# KiCad board Inkplate10_Soldered_panel.kicad_pcb
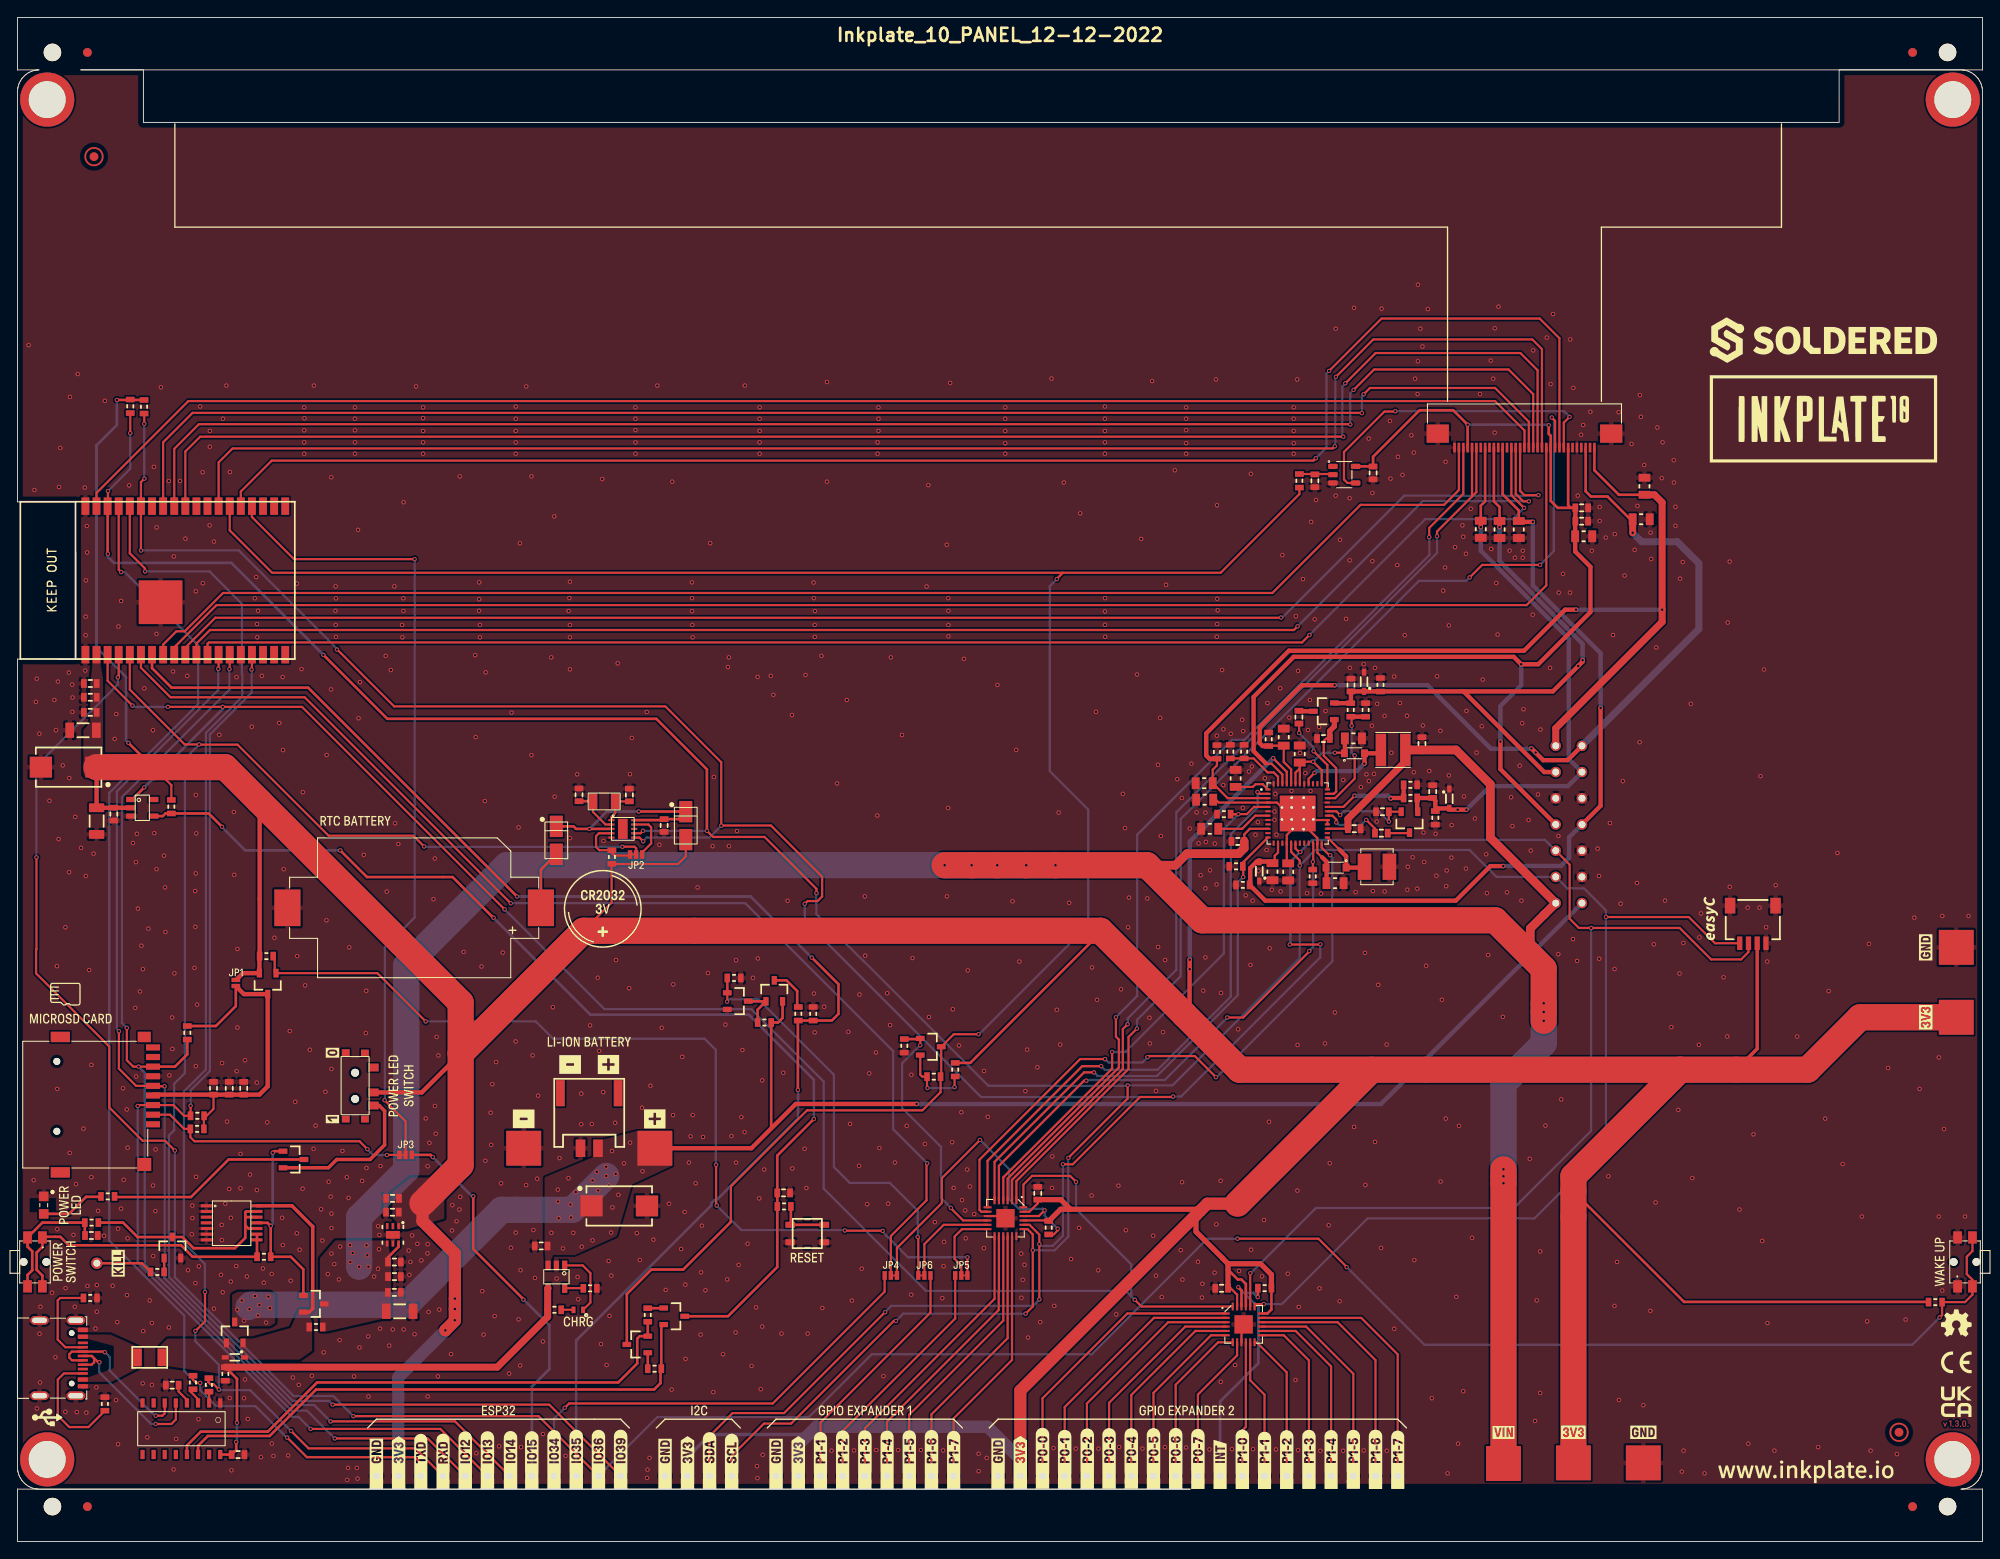
[diagram p0: board, top side]
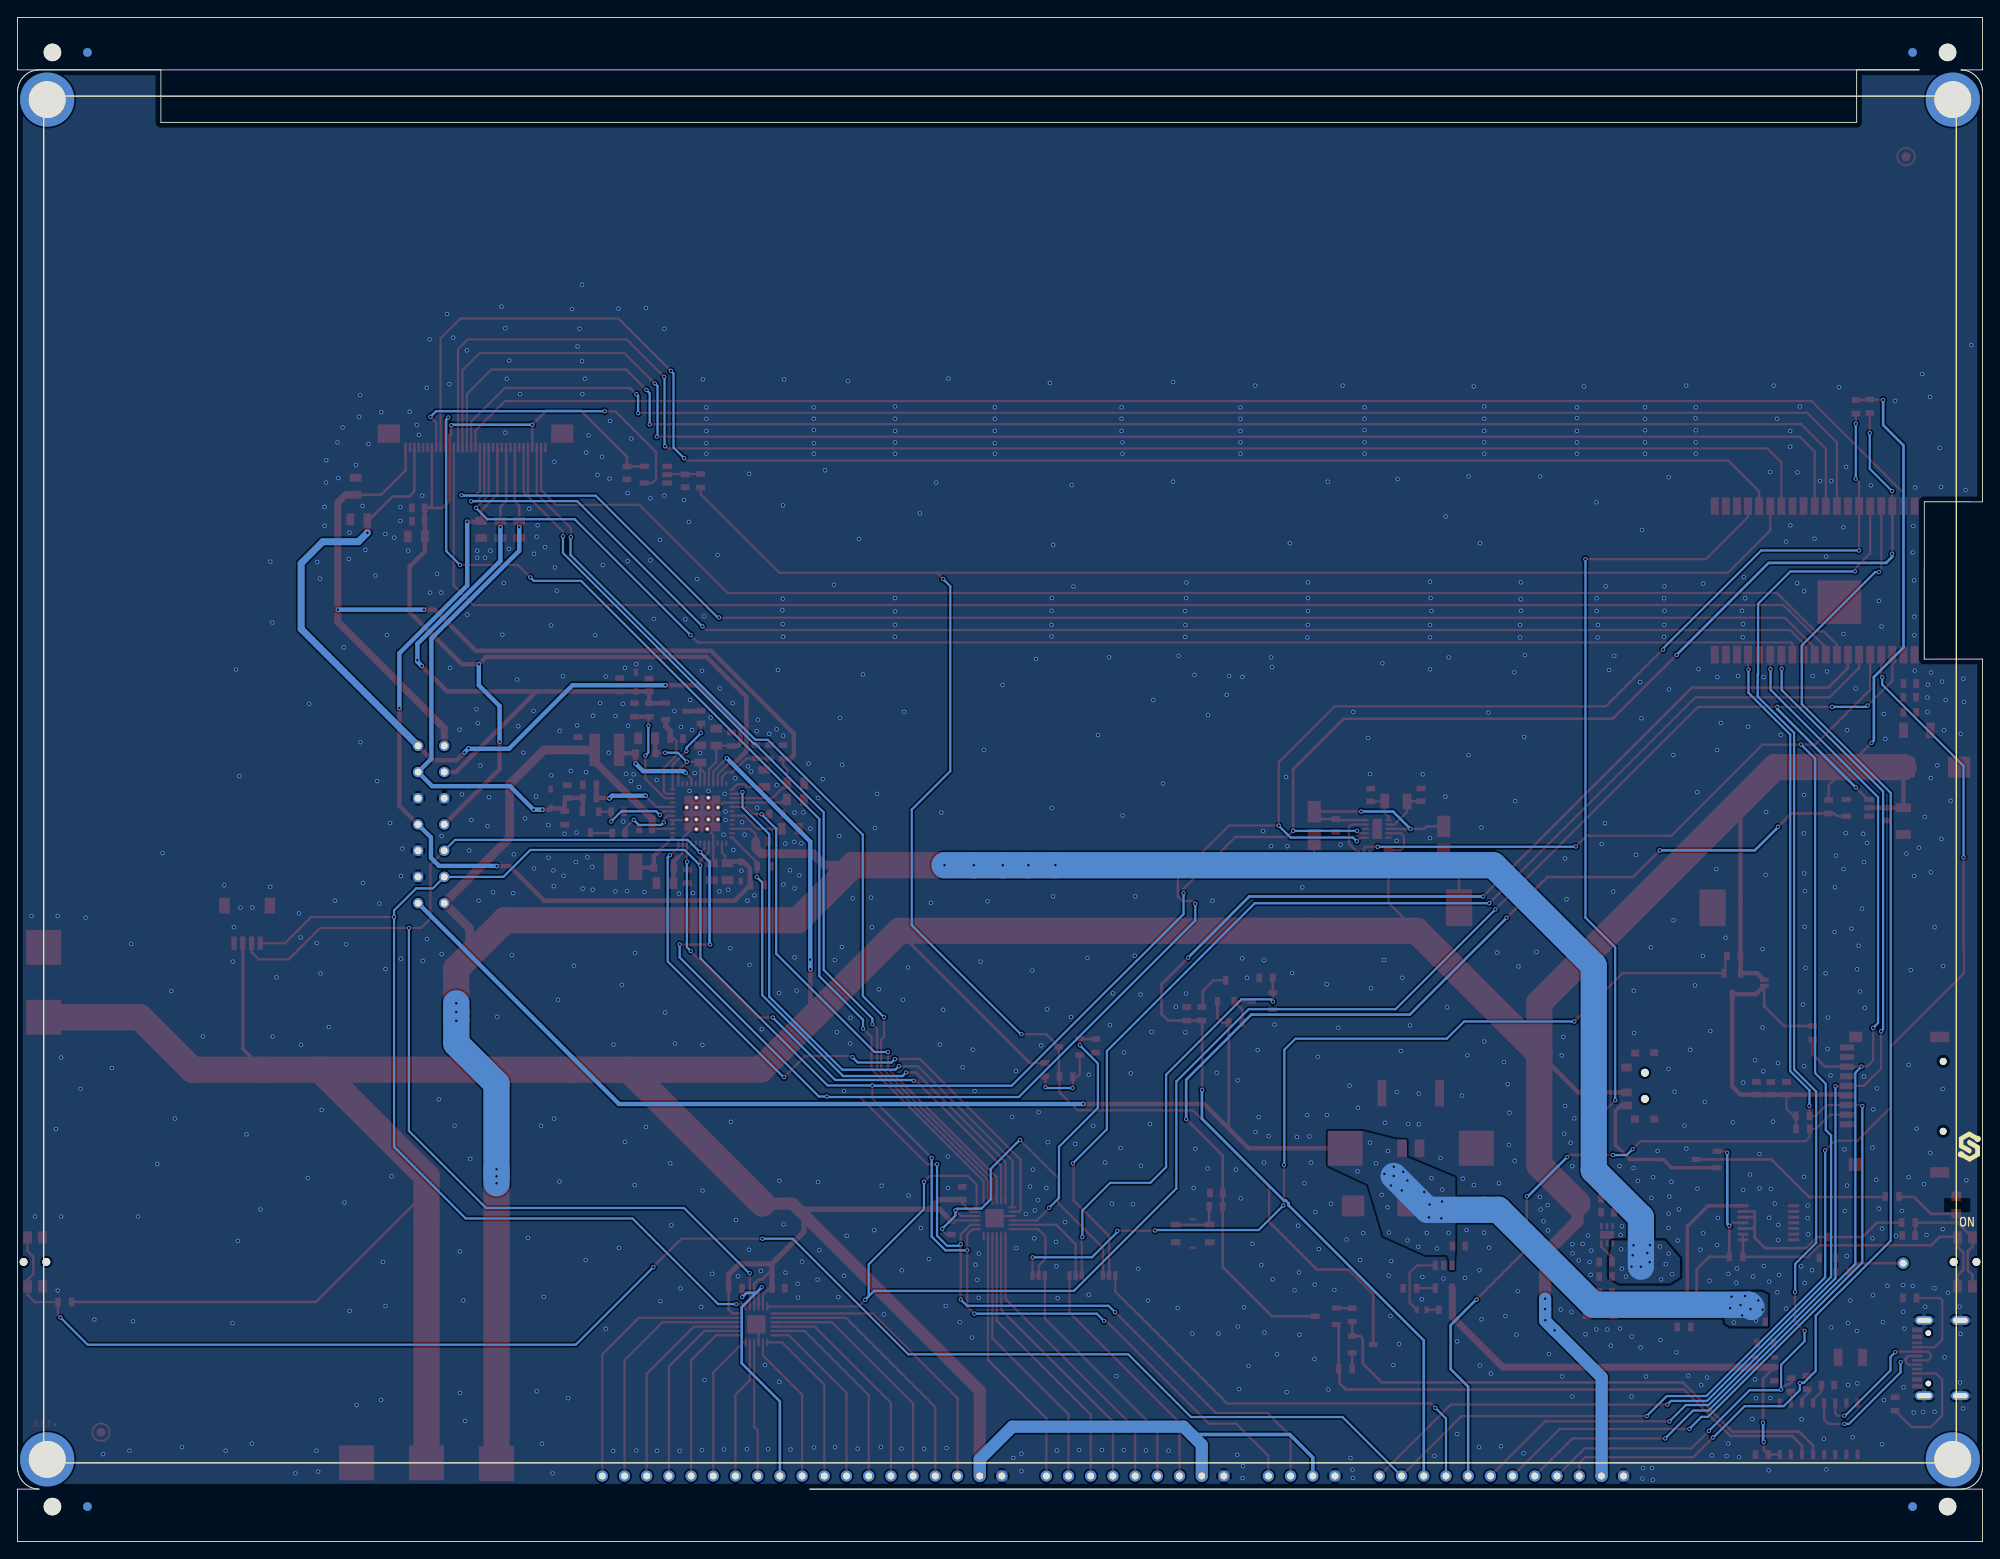
[diagram p1: board, bottom side, seen from below]

Outline 224.8 x 174.42 mm; copper layers: Top, Bottom. Coordinates in mm from the lower left corner of the outline.
Outline path: 0,174.42 0,168.42 2.46,168.42 2.37,168.42 2.25,168.41 2.12,168.4 2,168.37 1.87,168.35 1.75,168.31 1.63,168.27 1.51,168.22 1.4,168.17 1.29,168.11 1.18,168.05 1.07,167.98 0.97,167.9 0.87,167.82 0.78,167.74 0.69,167.65 0.6,167.55 0.52,167.46 0.45,167.35 0.38,167.25 0.31,167.14 0.26,167.03 0.2,166.91 0.16,166.79 0.11,166.67 0.08,166.55 0.05,166.43 0.03,166.3 0.01,166.18 0,166.05 0,165.92 0,118.99 6.66,119 6.67,100.99 0,101 0,8.5 0,8.37 0.01,8.25 0.03,8.12 0.05,8 0.08,7.87 0.11,7.75 0.16,7.63 0.2,7.51 0.26,7.4 0.31,7.29 0.38,7.18 0.45,7.07 0.52,6.97 0.6,6.87 0.69,6.78 0.78,6.69 0.87,6.6 0.97,6.52 1.07,6.45 1.18,6.38 1.29,6.31 1.4,6.25 1.51,6.2 1.63,6.15 1.75,6.11 1.87,6.08 2,6.05 2.12,6.03 2.25,6.01 2.37,6 134.17,6 0,6 0,0 224.8,0 224.8,6 222.34,6 222.43,6 222.55,6.01 222.68,6.03 222.8,6.05 222.93,6.08 223.05,6.11 223.17,6.15 223.29,6.2 223.4,6.25 223.51,6.31 223.62,6.38 223.73,6.45 223.83,6.52 223.93,6.6 224.02,6.69 224.11,6.78 224.2,6.87 224.28,6.97 224.35,7.07 224.42,7.18 224.49,7.29 224.55,7.4 224.6,7.51 224.65,7.63 224.69,7.75 224.72,7.87 224.75,8 224.77,8.12 224.79,8.25 224.8,8.37 224.8,8.5 224.8,165.92 224.8,166.05 224.79,166.18 224.77,166.3 224.75,166.43 224.72,166.55 224.69,166.67 224.65,166.79 224.6,166.91 224.55,167.03 224.49,167.14 224.42,167.25 224.35,167.35 224.28,167.46 224.2,167.55 224.11,167.65 224.02,167.74 223.93,167.82 223.83,167.9 223.73,167.98 223.62,168.05 223.51,168.11 223.4,168.17 223.29,168.22 223.17,168.27 223.05,168.31 222.93,168.35 222.8,168.37 222.68,168.4 222.55,168.41 222.43,168.42 208.4,168.42 208.4,162.42 14.4,162.42 14.4,168.42 7.25,168.42 224.8,168.42 224.8,174.42 0,174.42
Stack: Top 0.035mm / dielectric 1.51mm FR4 er 4.5 / Bottom 0.035mm

## Placement (name value [footprint] x y rotation side)
C1  4u7-TMK212AB7475KG-T  [0805C]  139.36 87.34 270 top
C2  4u7-TMK212AB7475KG-T  [0805C]  135.76 86.79 0 top
C3  4u7-TMK212AB7475KG-T  [0805C]  135.81 84.9 0 top
C4  4u7-TMK212AB7475KG-T  [0805C]  136.4 81.57 0 top
C5  10u-GRM188R61E106KA73J  [0603C]  139.61 80.12 0 top
C6  4u7-TMK212AB7475KG-T  [0805C]  143.57 76.66 90 top
C7  4u7-TMK212AB7475KG-T  [0805C]  145.37 76.64 90 top
C8  10u-GRM188R61E106KA73J  [0603C]  152.93 81.58 180 top
C9  4u7-TMK212AB7475KG-T  [0805C]  150.73 75.35 180 top
C10  10u-GRM188R61E106KA73J  [0603C]  160.68 91.32 270 top
C11  4u7-TMK212AB7475KG-T  [0805C]  152.83 91.92 180 top
C12  4u7-TMK212AB7475KG-T  [0805C]  146.69 90.13 270 top
C13  4u7-TMK212AB7475KG-T  [0805C]  144.86 92.06 270 top
C14  2u2-GRM188R61E225MA12D  [0603C]  152.55 98.02 270 top
C15  2u2-GRM188R61E225MA12D  [0603C]  161.9 85.82 270 top
C16  10n-AC0603KRX7R8BB103  [0603C]  156.03 81.07 180 top
C17  10n-AC0603KRX7R8BB103  [0603C]  146.6 94.35 90 top
C18  100n-AC0603KRX7R8BB104  [0603C]  156.15 83.52 0 top
C19  100n-AC0603KRX7R8BB104  [0603C]  149.4 91.9 0 top
C20  100n  [0603C]  25.23 9.95 180 top
C21  10u  [1206C]  9.05 82.45 90 top
C22  100n  [0603C]  17.7 17.9 0 top
C23  100n  [0603C]  11.03 83.25 90 top
C24  DNP  [2917C]  68.84 38.41 0 top
C25  2u2  [0603C]  59.91 33.82 0 top
C26  2u2  [0603C]  87.65 39.9 180 top
C27  10u  [1206C]  43.73 26.35 180 top
C28  2u2  [0603C]  43.11 28.51 180 top
C29  100n  [0603C]  43.12 30.32 180 top
C30  100n  [0603C]  43.12 31.99 180 top
C31  2u2  [0603C]  42.91 39.27 0 top
C32  100n  [0603C]  8.45 35.02 180 top
C33  100n  [0603C]  42.89 37.69 0 top
C34  12p  [0603C]  70 85.44 270 top
C35  12p  [0603C]  64.24 85.46 270 top
C36  100n  [0603C]  73.97 81.95 90 top
C37  2u2  [0603C]  25.88 51.87 270 top
C38  100n  [0603C]  24.23 51.87 270 top
C39  100n  [0603C]  22.43 51.87 270 top
C40  100p  [0603C]  148.43 121.4 90 top
C41  100n  [0603C]  155.08 122.3 90 top
C42  100n  [0603C]  178.95 116.77 180 top
C43  100n  [0603C]  178.95 118.3 180 top
C44  100n  [0603C]  116.72 39.86 270 top
C45  10u  [1206C]  7.5 92.85 0 top
C46  2u2  [0603C]  8.33 94.9 0 top
C47  100n  [0603C]  8.33 96.62 0 top
C48  100n  [0603C]  8.33 98.2 0 top
C49  DNP  [2917C]  5.85 88.62 180 top
C50  100n  [0603C]  137.76 28.98 0 top
C51  4u7-TMK212AB7475KG-T  [0805C]  186.13 120.77 270 top
C52  4u7-TMK212AB7475KG-T  [0805C]  169.55 115.82 90 top
C53  4u7-TMK212AB7475KG-T  [0805C]  167.4 115.85 90 top
C54  4u7-TMK212AB7475KG-T  [0805C]  185.75 117 180 top
C55  4u7-TMK212AB7475KG-T  [0805C]  179.18 115.05 180 top
C56  4u7-TMK212AB7475KG-T  [0805C]  171.75 115.82 90 top
D1  CUS10F30,H3F  [SOD-323-2]  150.85 77.12 180 top
D2  BAT20J  [SOD-323]  154.05 98.4 270 top
D3  CUS10F30,H3F  [SOD-323-2]  152.95 90.21 0 top
D4  BAT20J  [SOD-323]  142.06 76.69 270 top
D5  BAT20J  [SOD-323]  163.8 85.02 90 top
D6  BAT54S  [SOT-23-3]  159.25 82.32 270 top
D7  BAT54S  [SOT-23-3]  149.45 95.02 180 top
D8  RED  [0402LED]  64.16 26.51 0 top
D9  0603LED_SIDE  [LTST-S270GKT]  3 38.5 90 top
D10  BAT20J  [SOD-323]  24.88 21.08 0 top
D11  -  [M4_DIODA]  76.45 81.93 90 top
D12  -  [M4_DIODA]  61.64 80.25 90 top
F1  1206FUSE-500mA  [1206FUSE]  15.13 21.07 180 top
FD1  FIDUCIAL  [FIDUCIAL_23]  8.75 158.5 0 top
FD2  FIDUCIAL  [FIDUCIAL_23]  215.25 12.5 0 top
G***  LOGO  [Symbol-Front-USB]  3.4 14.2 270 top
G***#2  LOGO  [Logo-Front-OSH-3.5mm]  221.8 25 0 top
G***#3  LOGO  [Logo-Back-Soldered-3.5mm]  1.5 45.2 0 top
G***#4  LOGO  [Symbol-Front-SDcard]  5.48 62.65 90 top
G***#5  LOGO  [Logo-Front-easyC-5mm]  193.65 71.3 90 top
H1  -  [Standoff_M3]  221.4 165.02 0 top
H2  -  [Standoff_M3]  3.4 165.02 0 top
H3  -  [Standoff_M3]  221.4 9.4 0 top
H4  -  [Standoff_M3]  3.4 9.4 0 top
JP1  -  [SMD_JUMPER]  24.98 63.92 90 top
JP2  -  [SMD_JUMPER_3_PAD_CONNECTED_LEFT_TRACE]  70.77 78.63 0 top
JP3  -  [SMD_JUMPER_3_PAD_CONNECTED_LEFT_TRACE]  44.4 44.25 0 top
JP4  -  [SMD_JUMPER_3_PAD_CONNECTED_LEFT_TRACE]  99.91 30.45 180 top
JP5  -  [SMD_JUMPER_3_PAD_CONNECTED_LEFT_TRACE]  107.98 30.45 180 top
JP6  -  [SMD_JUMPER_3_PAD_CONNECTED_LEFT_TRACE]  103.75 30.45 0 top
K1  Inkplate_TP  [INKPLATE TEST HEADER]  177.48 82.06 0 top
K2  -  [U262-161N-4BVC11]  3 21 90 top
K3  easyC-SMD  [easyC-connector]  198.53 70.62 0 top
K4  -  [JST-2pin-SMD]  65.41 48.16 0 top
K5  -  [HEADER_MALE_1X1_Inkplate]  76.62 7.5 90 top
K6  -  [HEADER_MALE_1X1_Inkplate]  81.7 7.5 90 top
K7  -  [HEADER_MALE_1X1_Inkplate]  79.16 7.5 90 top
K8  -  [HEADER_MALE_1X1_Inkplate]  74.08 7.5 90 top
K9  -  [HEADER_MALE_1X1_Inkplate]  9.08 31.85 0 top
K10  CR2032_BS-6-1  [CR2032-BS-6-1]  45.38 72.53 0 top
K11  -  [HYC77-TF09-200]  10 50 270 top
K12  -  [SFV33R-1STE9HLF]  172.4 126 180 top
K13  -  [HEADER_MALE_1X1_Inkplate]  61.38 7.5 180 top
K14  -  [HEADER_MALE_1X1_Inkplate]  63.92 7.5 180 top
K15  -  [HEADER_MALE_1X1_Inkplate]  43.6 7.5 0 top
K16  -  [HEADER_MALE_1X1_Inkplate]  46.14 7.5 180 top
K17  -  [HEADER_MALE_1X1_Inkplate]  48.68 7.5 180 top
K18  -  [HEADER_MALE_1X1_Inkplate]  94.4 7.5 180 top
K19  -  [HEADER_MALE_1X1_Inkplate]  96.94 7.5 180 top
K20  -  [HEADER_MALE_1X1_Inkplate]  99.48 7.5 180 top
K21  -  [HEADER_MALE_1X1_Inkplate]  104.56 7.5 180 top
K22  -  [HEADER_MALE_1X1_Inkplate]  107.1 7.5 180 top
K23  -  [HEADER_MALE_1X1_Inkplate]  102.02 7.5 180 top
K24  -  [HEADER_MALE_1X1_Inkplate]  91.86 7.5 180 top
K25  -  [HEADER_MALE_1X1_Inkplate]  56.3 7.5 180 top
K26  -  [HEADER_MALE_1X1_Inkplate]  51.22 7.5 180 top
K27  -  [HEADER_MALE_1X1_Inkplate]  53.76 7.5 180 top
K28  -  [HEADER_MALE_1X1_Inkplate]  117.26 7.5 0 top
K29  -  [HEADER_MALE_1X1_Inkplate]  119.8 7.5 0 top
K30  -  [HEADER_MALE_1X1_Inkplate]  122.34 7.5 0 top
K31  -  [HEADER_MALE_1X1_Inkplate]  124.88 7.5 0 top
K32  -  [HEADER_MALE_1X1_Inkplate]  127.42 7.5 0 top
K33  -  [HEADER_MALE_1X1_Inkplate]  129.96 7.5 0 top
K34  -  [HEADER_MALE_1X1_Inkplate]  132.5 7.5 0 top
K35  -  [HEADER_MALE_1X1_Inkplate]  135.04 7.5 0 top
K36  -  [HEADER_MALE_1X1_Inkplate]  69 7.5 180 top
K37  -  [HEADER_MALE_1X1_Inkplate]  66.46 7.5 180 top
K38  -  [HEADER_MALE_1X1_Inkplate]  58.84 7.5 180 top
K39  -  [HEADER_MALE_1X1_Inkplate]  140.12 7.5 0 top
K40  -  [HEADER_MALE_1X1_Inkplate]  142.66 7.5 0 top
K41  -  [HEADER_MALE_1X1_Inkplate]  145.2 7.5 0 top
K42  -  [HEADER_MALE_1X1_Inkplate]  147.74 7.5 0 top
K43  -  [HEADER_MALE_1X1_Inkplate]  150.28 7.5 0 top
K44  -  [HEADER_MALE_1X1_Inkplate]  152.82 7.5 0 top
K45  -  [HEADER_MALE_1X1_Inkplate]  155.36 7.5 0 top
K46  -  [HEADER_MALE_1X1_Inkplate]  157.9 7.5 0 top
K47  -  [HEADER_MALE_1X1_Inkplate]  114.72 7.5 0 top
K48  -  [HEADER_MALE_1X1_Inkplate]  112.18 7.5 0 top
K49  -  [HEADER_MALE_1X1_Inkplate]  137.58 7.5 0 top
K50  -  [HEADER_MALE_1X1_Inkplate]  89.32 7.5 0 top
K51  -  [HEADER_MALE_1X1_Inkplate]  86.78 7.5 0 top
K52  -  [HEADER_MALE_1X1_Inkplate]  41.06 7.5 0 top
kibuzzard-62EA6F76  G***  [kibuzzard-62EA6F76]  55.03 15 0 top
kibuzzard-62EA71AD  G***  [kibuzzard-62EA71AD]  132.5 9.51 90 top
kibuzzard-62EA71BF  G***  [kibuzzard-62EA71BF]  135.04 9.46 90 top
kibuzzard-62EA71CF  G***  [kibuzzard-62EA71CF]  137.58 8.83 90 top
kibuzzard-62EA72A0  G***  [kibuzzard-62EA72A0]  140.12 9.41 90 top
kibuzzard-62EA72B5  G***  [kibuzzard-62EA72B5]  142.66 9.29 90 top
kibuzzard-62EA72C4  G***  [kibuzzard-62EA72C4]  145.2 9.38 90 top
kibuzzard-62EA72D5  G***  [kibuzzard-62EA72D5]  147.74 9.4 90 top
kibuzzard-62EA72FE  G***  [kibuzzard-62EA72FE]  150.28 9.39 90 top
kibuzzard-62EA713E  G***  [kibuzzard-62EA713E]  117.26 9.52 90 top
kibuzzard-62EA717A  G***  [kibuzzard-62EA717A]  124.88 9.5 90 top
kibuzzard-62EA718B  G***  [kibuzzard-62EA718B]  127.42 9.5 90 top
kibuzzard-62EA719A  G***  [kibuzzard-62EA719A]  129.96 9.5 90 top
kibuzzard-62EA730E  G***  [kibuzzard-62EA730E]  152.82 9.41 90 top
kibuzzard-62EA738C  G***  [kibuzzard-62EA738C]  157.9 9.36 90 top
kibuzzard-62EA7151  G***  [kibuzzard-62EA7151]  119.8 9.4 90 top
kibuzzard-62EA7167  G***  [kibuzzard-62EA7167]  122.38 9.48 90 top
kibuzzard-62EA7320  G***  [kibuzzard-62EA7320]  155.36 9.41 90 top
kibuzzard-62EA7623  G***  [kibuzzard-62EA7623]  219.9 32 90 top
kibuzzard-62F64A5D  G***  [kibuzzard-62F64A5D]  6.1 59.85 0 top
kibuzzard-62F64B01  G***  [kibuzzard-62F64B01]  90.35 32.5 0 top
kibuzzard-62F64B1C  G***  [kibuzzard-62F64B1C]  64.16 25.17 0 top
kibuzzard-62F64C02  G***  [kibuzzard-62F64C02]  78 15 0 top
kibuzzard-62F64ED6  G***  [kibuzzard-62F64ED6]  24.98 65.12 0 top
kibuzzard-62F64EF1  G***  [kibuzzard-62F64EF1]  70.77 77.43 0 top
kibuzzard-62F64FB5  G***  [kibuzzard-62F64FB5]  103.75 31.65 0 top
kibuzzard-62F647A2  G***  [kibuzzard-62F647A2]  46.14 9.15 90 top
kibuzzard-62F647AE  G***  [kibuzzard-62F647AE]  48.68 9.15 90 top
kibuzzard-62F647BC  G***  [kibuzzard-62F647BC]  58.84 9.3 90 top
kibuzzard-62F6465B  G***  [kibuzzard-62F6465B]  89.32 9.02 90 top
kibuzzard-62F6465B#2  G***  [kibuzzard-62F6465B]  114.72 9.05 90 top
kibuzzard-62F6465B#3  G***  [kibuzzard-62F6465B]  43.6 9.02 90 top
kibuzzard-62F6465B#4  G***  [kibuzzard-62F6465B]  76.65 9.02 90 top
kibuzzard-62F6485B  G***  [kibuzzard-62F6485B]  96.94 9.35 90 top
kibuzzard-62F6487E  G***  [kibuzzard-62F6487E]  102.02 9.35 90 top
kibuzzard-62F6488E  G***  [kibuzzard-62F6488E]  104.56 9.37 90 top
kibuzzard-62F6489F  G***  [kibuzzard-62F6489F]  107.1 9.32 90 top
kibuzzard-62F64634  G***  [kibuzzard-62F64634]  112.18 8.9 90 top
kibuzzard-62F64634#2  G***  [kibuzzard-62F64634]  86.78 8.87 90 top
kibuzzard-62F64634#3  G***  [kibuzzard-62F64634]  41.06 8.87 90 top
kibuzzard-62F64634#4  G***  [kibuzzard-62F64634]  74.08 8.87 90 top
kibuzzard-62F64673  G***  [kibuzzard-62F64673]  79.18 9.25 90 top
kibuzzard-62F64683  G***  [kibuzzard-62F64683]  81.7 9.15 90 top
kibuzzard-62F64831  G***  [kibuzzard-62F64831]  91.86 9.25 90 top
kibuzzard-62F64846  G***  [kibuzzard-62F64846]  94.4 9.35 90 top
kibuzzard-62F64870  G***  [kibuzzard-62F64870]  99.48 9.32 90 top
kibuzzard-110,125  G***  [kibuzzard-62F64F49]  99.91 31.65 0 top
kibuzzard-630F4F9D  G***  [kibuzzard-630F4F9D]  6.1 32 90 top
kibuzzard-630F4F92  G***  [kibuzzard-630F4F92]  4.6 32 90 top
kibuzzard-630F509B  G***  [kibuzzard-630F509B]  6.7 38.5 90 top
kibuzzard-630F4237  G***  [kibuzzard-630F4237]  65.41 57.2 0 top
kibuzzard-6392DAA5  G***  [kibuzzard-6392DAA5]  72.91 48.37 0 top
kibuzzard-6392DAAE  G***  [kibuzzard-6392DAAE]  67.6 54.59 0 top